# KiCad board AMC_FMC_Carrier-PcbDoc.kicad_pcb (continued)
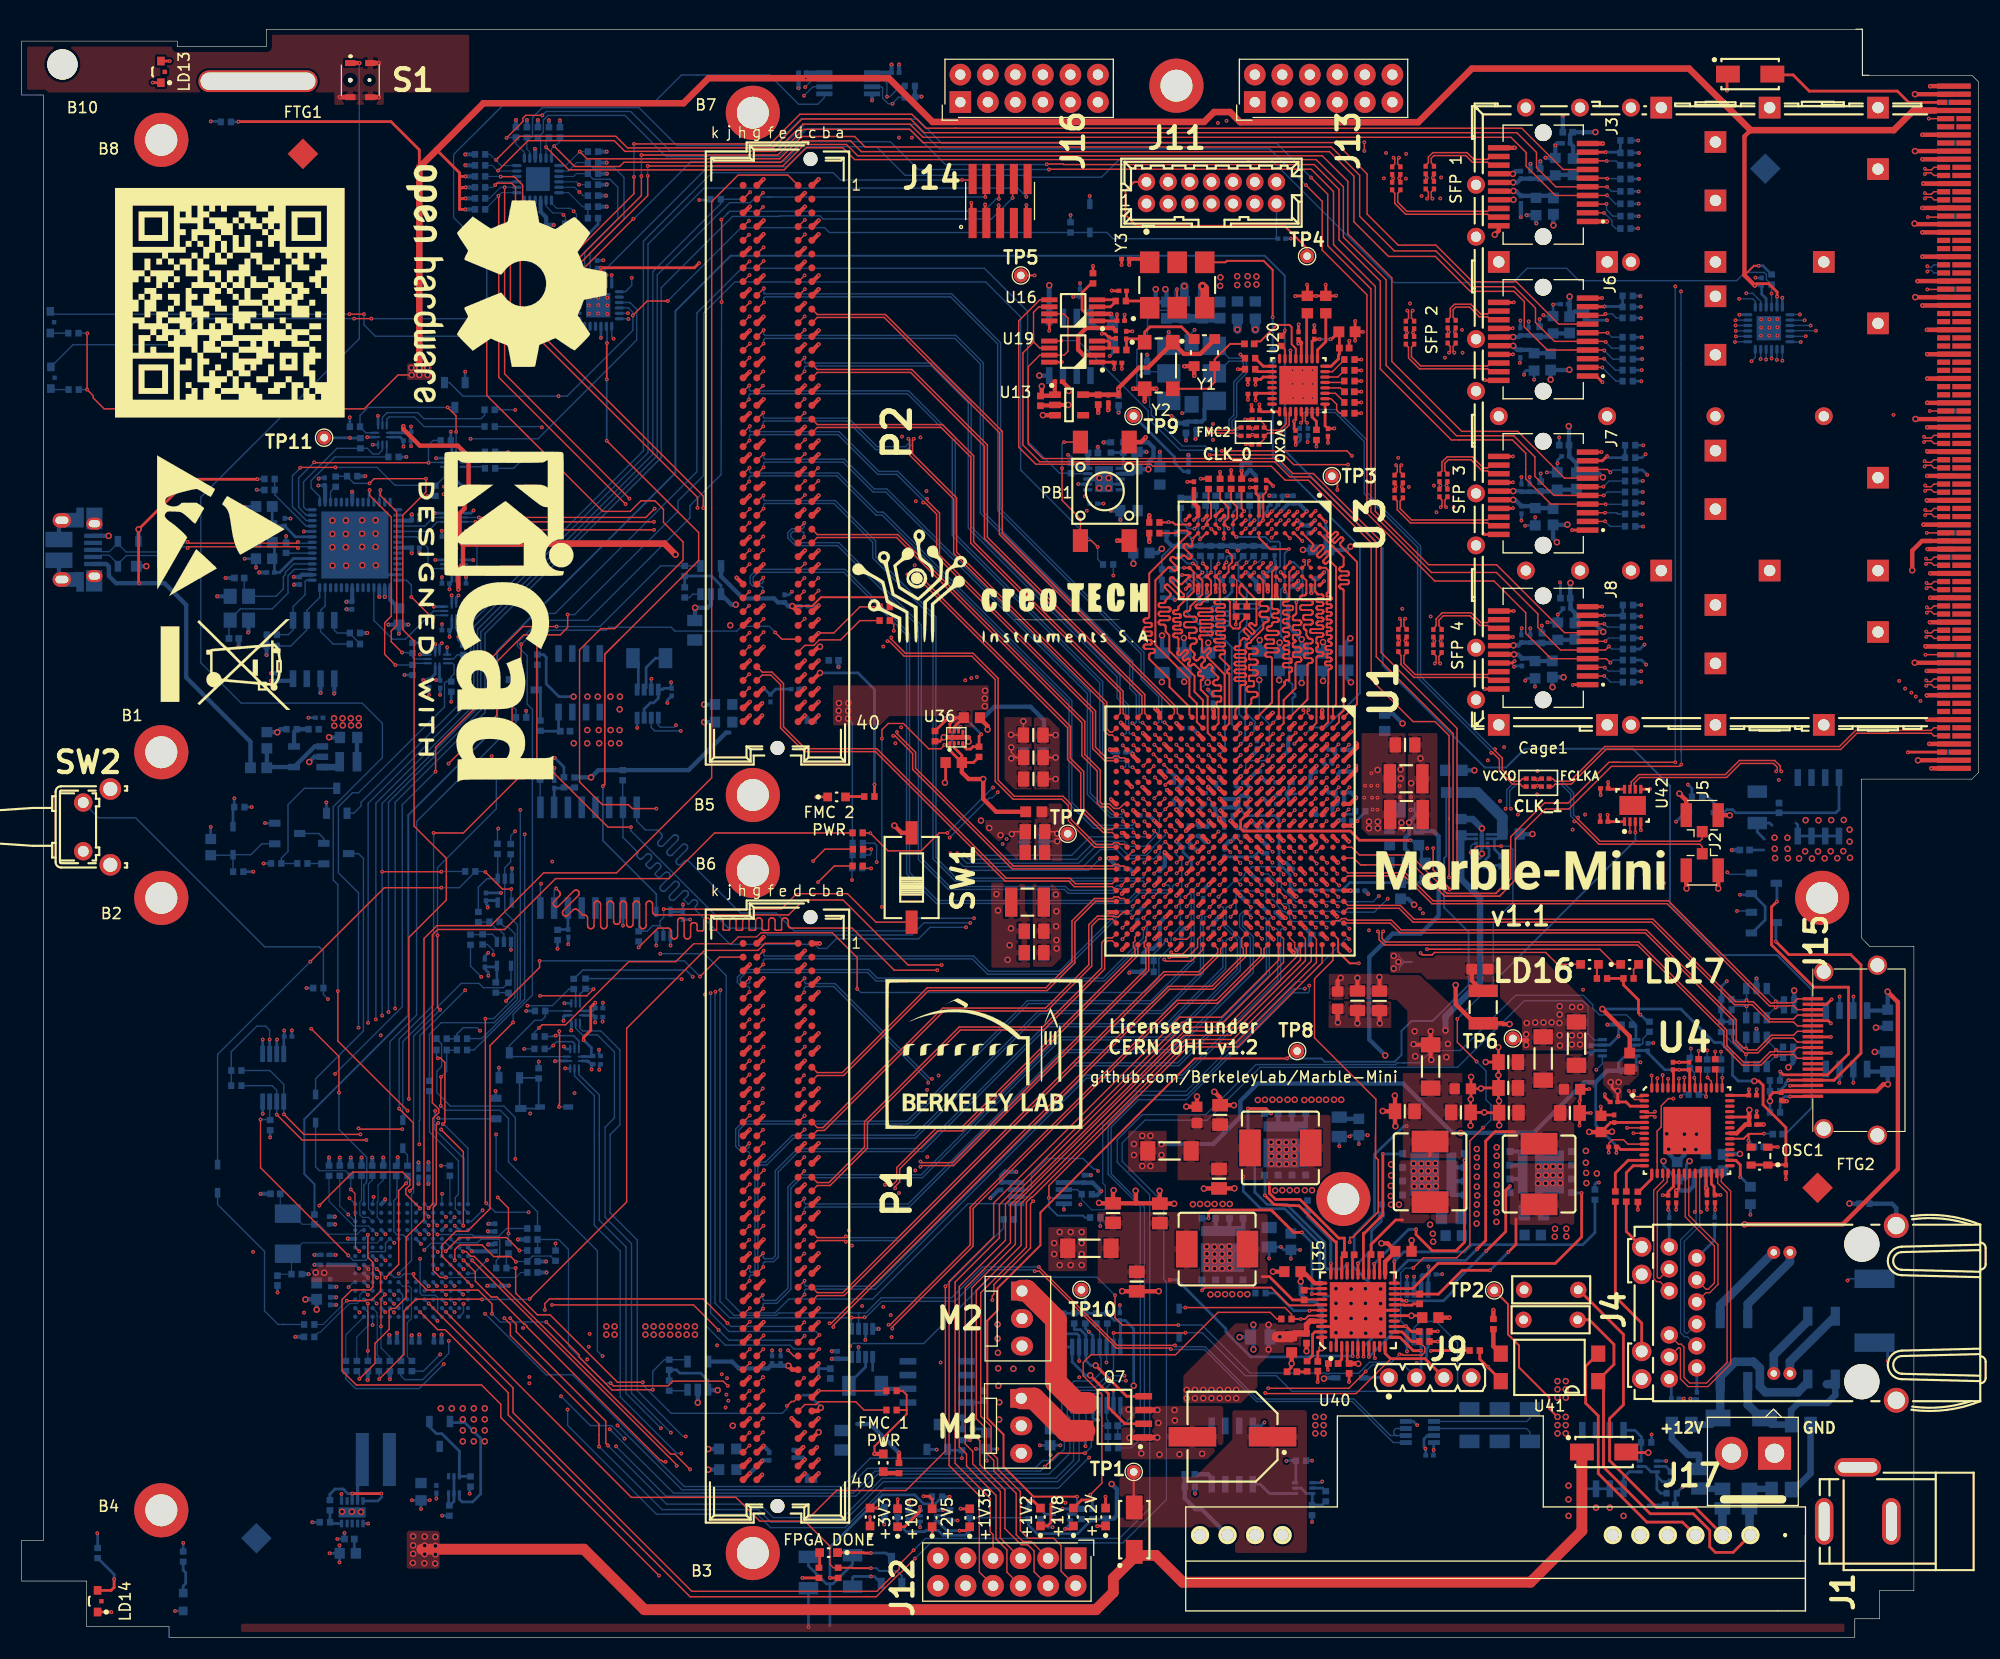
[diagram p0: board, top side]
## Routing (per net, layer and track width the routed paths; a pad name or vN(x,y) marks a point on that pad's centre or on a via; arc(x,y) is an arc through that point) (continued)
/FPGA/DDR3_UDQS_P: length 22.6
  Top w0.118: U1.E1 118.41,85.34 118.41,85.52 v1(118.29,85.63) ; v1(118.35,99.42) 118.47,99.31 118.47,99.05 U3.C7
  In2.Cu w0.102: v1(118.29,85.63) 118.42,85.76 118.42,86.51 118.84,86.93 118.84,90.66 118.83,90.69 118.82,90.73 118.8,90.76 118.78,90.78 118.75,90.8 118.71,90.81 118.68,90.82 118.54,90.82 118.46,90.83 118.38,90.85 118.31,90.9 118.25,90.96 118.21,91.03 118.18,91.1 118.17,91.18 118.17,91.43 118.18,91.51 118.21,91.59 118.25,91.66 118.31,91.72 118.38,91.76 118.46,91.79 118.54,91.8 119.29,91.8 119.32,91.8 119.34,91.81 119.36,91.82 119.38,91.84 119.39,91.86 119.4,91.89 119.4,91.91 119.4,92.21 119.4,92.24 119.39,92.26 119.38,92.28 119.36,92.3 119.34,92.31 119.32,92.32 119.29,92.33 119.16,92.33 119.09,92.33 119.02,92.36 118.96,92.4 118.91,92.45 118.87,92.51 118.85,92.57 118.84,92.65 118.84,92.66 118.48,93.03 118.48,93.89 118.47,93.93 118.46,93.98 118.43,94.02 118.4,94.05 118.36,94.08 118.31,94.09 118.27,94.1 118.13,94.1 118.03,94.11 117.95,94.14 117.87,94.19 117.8,94.25 117.75,94.33 117.72,94.42 117.71,94.51 117.71,94.67 117.72,94.76 117.75,94.84 117.8,94.92 117.87,94.99 117.95,95.04 118.03,95.07 118.13,95.08 119.18,95.08 119.24,95.09 119.29,95.11 119.34,95.14 119.38,95.18 119.42,95.23 119.43,95.28 119.44,95.34 119.43,95.4 119.42,95.46 119.38,95.51 119.34,95.55 119.29,95.58 119.24,95.6 119.18,95.6 118.23,95.6 118.16,95.61 118.09,95.64 118.03,95.67 117.98,95.72 117.94,95.79 117.92,95.85 117.91,95.92 117.91,96.27 117.92,96.34 117.94,96.41 117.98,96.47 118.03,96.52 118.09,96.56 118.16,96.58 118.23,96.59 118.37,96.59 118.39,96.59 118.41,96.6 118.44,96.61 118.45,96.63 118.47,96.65 118.47,96.67 118.48,96.7 118.48,96.73 118.49,96.83 118.52,96.93 118.58,97.01 118.65,97.09 118.74,97.14 118.84,97.18 118.94,97.19 119.18,97.19 119.24,97.2 119.29,97.22 119.34,97.25 119.38,97.29 119.42,97.34 119.43,97.39 119.44,97.45 119.43,97.51 119.42,97.57 119.38,97.62 119.34,97.66 119.29,97.69 119.24,97.71 119.18,97.71 118.94,97.71 118.84,97.73 118.74,97.76 118.65,97.82 118.58,97.89 118.52,97.98 118.49,98.07 118.48,98.18 118.48,99.3 v1(118.35,99.42)
/FPGA/DDR3_WE: length 28.5
  Top w0.178: v1(112.11,101.61) 111.79,101.94 U3.L3 ; v1(113.51,83.45) 113.51,83.44 U1.K3
  Bottom w0.178: 112.34,104.29 112.2,104.29 111.83,103.92 111.83,101.9 v1(112.11,101.61) 114.8,101.61 115.23,101.18 116.02,101.18 116.15,101.05 116.15,98.92 115.76,98.52 115.76,96.41 115.29,95.95 115.29,94.27 115.07,94.06 115.04,94.03 115.01,94.01 114.97,94 114.93,94 114.89,94.01 114.85,94.03 114.82,94.06 114.78,94.09 114.75,94.12 114.72,94.14 114.68,94.15 114.64,94.15 114.6,94.14 114.56,94.12 114.53,94.09 114.51,94.06 114.49,94.03 114.48,93.99 114.48,93.95 114.49,93.91 114.51,93.87 114.53,93.84 114.57,93.8 114.6,93.77 114.61,93.74 114.62,93.7 114.62,93.66 114.61,93.62 114.6,93.58 114.57,93.55 112.93,91.91 112.93,85.46 113.82,84.56 113.82,84.22 113.74,84.13 113.74,83.68 v1(113.51,83.45)
/FPGA/DXN_0: length 82.6
  Top w0.127: U1.N9 110.03,76.97 v1(109.55,77.45)
  In5.Cu w0.127: v1(109.55,77.45) 110,77 110,76.18 109.66,75.83 109.44,75.83 109.18,75.58 109.18,75.14 ; 109.18,75.14 109.18,75.29 ; 109.18,75.14 109.18,73.33 109.44,73.08 113.8,73.08 114.07,72.8 114.07,70.42 114.61,69.89 115.59,69.89 115.84,69.64 115.84,69.16 115.91,69.09 ; v1(118.85,60.19) 116.23,62.8 116.23,68.77 115.91,69.09 ; 115.91,69.09 115.99,69.01
  Bottom w0.127: R129.1 102.41,17.49 103.63,18.71 103.63,39.73 100.56,42.81 100.56,47.13 103.07,49.64 107.49,49.64 117.37,59.52 118.74,59.52 118.85,59.63 v1(118.85,60.19)
/FPGA/DXP_0: length 81.2
  Top w0.127: U1.N10 v1(109.64,76.35)
  In5.Cu w0.127: v1(109.64,76.35) 109.39,76.35 108.91,75.88 108.91,73.21 109.28,72.84 113.7,72.84 113.83,72.72 113.83,69.55 114.34,69.04 115.56,69.04 115.91,68.68 115.91,62.43 v1(118.44,59.91)
  Bottom w0.127: v1(118.44,59.91) 117.4,59.91 107.55,50.05 102.95,50.05 100.28,47.38 100.28,42.76 103.25,39.79 103.25,21.2 101.6,19.54 C188.1 ; C188.1 C189.1 ; C188.1 101.41,19.79 U27.9
/FPGA/EXP_INT: length 261.9
  In2.Cu w0.127: v1(99.35,43.07) 99.35,43.65 104.01,48.31 109.09,48.31 111.36,50.57 120.58,50.57 129.64,59.63 143.94,59.63 v1(144.12,59.8) ; v1(161.51,124.1) 161.69,124.27 162.56,124.27 163.22,123.61 163.22,122.11 165.15,120.18 165.15,118.1 163.22,116.17 163.22,105.96 151.71,94.45 151.71,76.92 151.59,76.8 v1(151.59,69.66)
  In5.Cu w0.127: v1(151.59,69.66) 151.59,67.27 v1(144.12,59.8)
  Bottom w0.127: v1(99.35,43.07) 99.18,43.24 98.95,43.24 97.97,44.22 94.7,44.22 93.2,42.73 93.2,41.53 93.02,41.35 U47.7 ; U39.22 53.46,125.92 63.35,135.8 70.59,135.8 72.44,137.65 78.89,137.65 81.53,135.01 92.43,135.01 92.61,134.84 99.67,134.84 101.27,136.44 115.34,136.44 126.67,125.11 137.64,125.11 138.96,126.43 142.59,126.43 143.74,125.29 158.29,125.29 159.05,126.05 160.83,126.05 161.04,125.84 161.04,125.37 161.5,124.92 R199.2 161.51,124.91 v1(161.51,124.1) U34.22
/FPGA/FPGA_13_14/CFG_D02: length 76.4
  Top w0.127: v1(84.51,61.61) 80.54,61.61 76.66,65.49 71.04,65.49 70.98,65.5 70.91,65.52 70.86,65.56 70.81,65.61 70.77,65.66 70.75,65.73 70.74,65.79 70.74,66.14 70.74,66.21 70.71,66.27 70.68,66.33 70.63,66.38 70.57,66.41 70.51,66.44 70.44,66.44 70.38,66.44 70.31,66.41 70.26,66.38 70.21,66.33 70.17,66.27 70.15,66.21 70.14,66.14 70.14,65.39 70.14,65.37 70.13,65.35 70.12,65.33 70.11,65.32 70.09,65.3 70.07,65.3 70.04,65.29 69.64,65.29 69.62,65.3 69.6,65.3 69.58,65.32 69.56,65.33 69.55,65.35 69.55,65.37 69.54,65.39 69.54,66.14 69.54,66.21 69.51,66.27 69.48,66.33 69.43,66.38 69.37,66.41 69.31,66.44 69.24,66.44 69.18,66.44 69.11,66.41 69.06,66.38 69.01,66.33 68.97,66.27 68.95,66.21 68.94,66.14 68.94,65.39 68.94,65.37 68.93,65.35 68.92,65.33 68.91,65.32 68.89,65.3 68.87,65.3 68.84,65.29 68.44,65.29 68.42,65.3 68.4,65.3 68.38,65.32 68.36,65.33 68.35,65.35 68.35,65.37 68.34,65.39 68.34,66.14 68.34,66.21 68.31,66.27 68.28,66.33 68.23,66.38 68.17,66.41 68.11,66.44 68.04,66.44 67.98,66.44 67.91,66.41 67.86,66.38 67.81,66.33 67.77,66.27 67.75,66.21 67.74,66.14 67.74,65.39 67.74,65.37 67.73,65.35 67.72,65.33 67.71,65.32 67.69,65.3 67.67,65.3 67.64,65.29 67.24,65.29 67.22,65.3 67.2,65.3 67.18,65.32 67.16,65.33 67.15,65.35 67.15,65.37 67.14,65.39 67.14,66.14 67.14,66.21 67.11,66.27 67.08,66.33 67.03,66.38 66.97,66.41 66.91,66.44 66.84,66.44 66.78,66.44 66.71,66.41 66.66,66.38 66.61,66.33 66.57,66.27 66.55,66.21 66.54,66.14 66.54,65.39 66.54,65.37 66.53,65.35 66.52,65.33 66.51,65.32 66.49,65.3 66.47,65.3 66.44,65.29 66.04,65.29 66.02,65.3 66,65.3 65.98,65.32 65.96,65.33 65.95,65.35 65.95,65.37 65.94,65.39 65.94,66.14 65.94,66.21 65.91,66.27 65.88,66.33 65.83,66.38 65.77,66.41 65.71,66.44 65.64,66.44 65.58,66.44 65.51,66.41 65.46,66.38 65.41,66.33 65.37,66.27 65.35,66.21 65.34,66.14 65.34,65.39 65.34,65.37 65.33,65.35 65.32,65.33 65.31,65.32 65.29,65.3 65.27,65.3 65.24,65.29 64.84,65.29 64.82,65.3 64.8,65.3 64.78,65.32 64.76,65.33 64.75,65.35 64.75,65.37 64.74,65.39 64.74,66.14 64.74,66.21 64.71,66.27 64.68,66.33 64.63,66.38 64.57,66.41 64.51,66.44 64.44,66.44 64.38,66.44 64.31,66.41 64.26,66.38 64.21,66.33 64.17,66.27 64.15,66.21 64.14,66.14 64.14,65.39 64.14,65.37 64.13,65.35 64.12,65.33 64.11,65.32 64.09,65.3 64.07,65.3 64.04,65.29 63.64,65.29 63.62,65.3 63.6,65.3 63.58,65.32 63.56,65.33 63.55,65.35 63.55,65.37 63.54,65.39 63.54,66.14 63.54,66.21 63.51,66.27 63.48,66.33 63.43,66.38 63.37,66.41 63.31,66.44 63.24,66.44 63.18,66.44 63.11,66.41 63.06,66.38 63.01,66.33 62.97,66.27 62.95,66.21 62.94,66.14 62.94,65.37 62.94,65.34 62.93,65.31 62.92,65.29 62.9,65.27 62.87,65.26 62.85,65.25 62.82,65.24 62.47,65.24 62.44,65.25 62.41,65.26 62.39,65.27 62.37,65.29 62.36,65.31 62.35,65.34 62.34,65.37 62.34,65.74 62.34,65.8 62.32,65.85 62.29,65.9 62.25,65.94 62.2,65.97 62.15,65.99 62.09,65.99 61.99,65.99 61.94,65.99 61.88,65.97 61.84,65.94 61.8,65.9 61.77,65.85 61.75,65.8 61.74,65.74 61.74,64.79 61.74,64.73 61.71,64.66 61.68,64.61 61.63,64.56 61.57,64.52 61.51,64.5 61.44,64.49 61.38,64.5 61.31,64.52 61.26,64.56 61.21,64.61 61.17,64.66 61.15,64.73 61.14,64.79 61.14,66.14 61.14,66.21 61.11,66.27 61.08,66.33 61.03,66.38 60.97,66.41 60.91,66.44 60.84,66.44 60.78,66.44 60.71,66.41 60.66,66.38 60.61,66.33 60.57,66.27 60.55,66.21 60.54,66.14 60.54,64.79 60.54,64.73 60.51,64.66 60.48,64.61 60.43,64.56 60.37,64.52 60.31,64.5 60.24,64.49 60.18,64.5 60.11,64.52 60.06,64.56 60.01,64.61 59.97,64.66 59.95,64.73 59.94,64.79 59.94,65.19 59.94,65.26 59.91,65.32 59.88,65.38 59.83,65.43 59.77,65.46 59.71,65.49 59.64,65.49 58.72,65.49 v1(56.95,63.72) ; U1.P21 108.53,64.46 108.53,63.72 107.62,62.8 105.87,62.8
  In5.Cu w0.127: v1(105.92,62.81) 105.92,62.56 105.07,61.71 84.96,61.71 84.86,61.61 v1(84.51,61.61)
  Bottom w0.127: R209.1 v1(56.95,63.72)
/FPGA/FPGA_13_14/CFG_D03: length 72.1
  Top w0.127: U1.R21 107.54,64.47 v1(106.44,64.47) ; v1(47.93,81.01) 54.13,74.82 v1(56.23,74.82)
  In5.Cu w0.127: v1(87.55,65.98) 87.58,65.95 88.9,65.95 89.08,66.13 100.83,66.13 101.08,65.88 102.43,65.88 103.43,66.87 103.43,66.89 106.66,66.89 106.88,66.66 106.88,64.91 v1(106.44,64.47)
  Bottom w0.127: R210.1 47.93,80.21 v1(47.93,81.01) ; v1(87.55,65.98) 83.29,65.98 82.17,64.86 68.86,64.86 68.22,65.49 65.23,65.49 56.23,74.49 v1(56.23,74.82)
/FPGA/FPGA_13_14/CFG_DIN: length 72
  Top w0.127: v1(106.1,63.26) 106.26,63.09 107.16,63.09 U1.R22
  In5.Cu w0.127: v1(106.1,63.26) 106.1,63.58 107.16,64.64 107.16,66.81 106.92,67.05 106.92,67.65 106.66,67.9 103.4,67.9 102.96,67.46 102.96,67.18 102.59,66.82 100.64,66.82 100.24,66.41 v1(87.91,66.41)
  Bottom w0.127: U30.8 56.77,75.37 57.58,74.56 58.67,74.56 59.03,74.21 59.07,74.15 59.1,74.09 59.11,74.03 59.11,73.96 59.1,73.89 59.07,73.83 59.03,73.78 58.8,73.55 58.76,73.5 58.73,73.44 58.71,73.37 58.71,73.3 58.73,73.24 58.76,73.18 58.8,73.13 58.85,73.08 58.91,73.05 58.98,73.04 59.04,73.04 59.11,73.05 59.17,73.08 59.22,73.13 60.11,74.01 60.16,74.05 60.22,74.08 60.29,74.1 60.35,74.1 60.42,74.08 60.48,74.05 60.53,74.01 60.57,73.96 60.6,73.9 60.62,73.83 60.62,73.77 60.6,73.7 60.57,73.64 60.53,73.59 59.65,72.7 59.6,72.65 59.58,72.59 59.56,72.52 59.56,72.46 59.58,72.39 59.6,72.33 59.65,72.28 59.7,72.24 59.76,72.21 59.82,72.19 59.89,72.19 59.96,72.21 60.02,72.24 60.07,72.28 60.96,73.16 61.01,73.21 61.07,73.24 61.14,73.25 61.2,73.25 61.27,73.24 61.33,73.21 61.38,73.16 61.42,73.11 61.45,73.05 61.47,72.99 61.47,72.92 61.45,72.85 61.42,72.79 61.38,72.74 60.49,71.85 60.45,71.8 60.42,71.74 60.41,71.67 60.41,71.61 60.42,71.54 60.45,71.48 60.49,71.43 60.55,71.39 60.61,71.36 60.67,71.34 60.74,71.34 60.81,71.36 60.87,71.39 60.92,71.43 61.15,71.66 61.2,71.7 61.26,71.73 61.33,71.75 61.4,71.75 61.46,71.73 61.52,71.7 61.57,71.66 66.34,66.89 69.65,66.89 71.3,65.24 81.56,65.24 82.73,66.41 v1(87.91,66.41)
/FPGA/FPGA_13_14/CFG_FCS: length 74.6
  Top w0.112: U1.T19 106.56,66.49 v1(106.51,66.49)
  In5.Cu w0.127: v1(87.17,65.57) 87.86,64.88 102.57,64.88 102.84,65.15 102.84,65.5 103.22,65.88 105.9,65.88 v1(106.51,66.49)
  Bottom w0.127: R223.2 55.47,76.67 U30.7 55.5,73.88 56.82,72.55 56.84,72.53 56.86,72.49 56.87,72.46 56.87,72.42 56.86,72.39 56.84,72.35 56.8,72.3 56.78,72.27 56.77,72.23 56.77,72.19 56.78,72.16 56.8,72.13 56.82,72.1 57.01,71.9 57.04,71.88 57.08,71.86 57.11,71.86 57.15,71.86 57.18,71.86 57.21,71.88 57.24,71.9 57.36,72.02 57.37,72.01 57.63,72.27 57.68,72.31 57.74,72.34 57.81,72.36 57.88,72.36 57.94,72.34 58,72.31 58.06,72.27 58.1,72.22 58.13,72.16 58.14,72.09 58.14,72.03 58.13,71.96 58.1,71.9 58.06,71.85 57.68,71.47 57.65,71.44 57.64,71.41 57.63,71.37 57.63,71.34 57.64,71.3 57.65,71.27 57.68,71.24 57.87,71.04 57.9,71.02 57.93,71.01 57.97,71 58,71 58.04,71.01 58.07,71.02 58.1,71.04 58.48,71.42 58.53,71.46 58.59,71.49 58.66,71.51 58.73,71.51 58.79,71.49 58.85,71.46 58.9,71.42 58.95,71.37 58.97,71.31 58.99,71.24 58.99,71.18 58.97,71.11 58.95,71.05 58.9,71 58.53,70.62 58.5,70.59 58.49,70.56 58.48,70.52 58.48,70.49 58.49,70.45 58.5,70.42 58.53,70.39 58.72,70.2 58.75,70.17 58.78,70.16 58.82,70.15 58.85,70.15 58.89,70.16 58.92,70.17 58.95,70.2 59.33,70.57 59.38,70.62 59.44,70.64 59.51,70.66 59.57,70.66 59.64,70.64 59.7,70.62 59.75,70.57 59.79,70.52 59.82,70.46 59.84,70.4 59.84,70.33 59.82,70.26 59.79,70.2 59.75,70.15 59.01,69.41 58.97,69.36 58.94,69.3 58.93,69.23 58.93,69.16 58.94,69.1 58.97,69.04 59.01,68.98 59.06,68.94 59.13,68.91 59.19,68.9 59.26,68.9 59.32,68.91 59.38,68.94 59.44,68.98 60.18,69.73 60.23,69.77 60.29,69.8 60.36,69.81 60.42,69.81 60.49,69.8 60.55,69.77 60.6,69.73 60.64,69.67 60.67,69.61 60.69,69.55 60.69,69.48 60.67,69.41 60.64,69.35 60.6,69.3 59.86,68.56 59.82,68.51 59.79,68.45 59.77,68.38 59.77,68.31 59.79,68.25 59.82,68.19 59.86,68.14 59.91,68.09 59.97,68.07 60.04,68.05 60.11,68.05 60.17,68.07 60.23,68.09 60.28,68.14 61.03,68.88 61.08,68.92 61.14,68.95 61.2,68.96 61.27,68.96 61.34,68.95 61.4,68.92 61.45,68.88 61.49,68.82 61.52,68.76 61.54,68.7 61.54,68.63 61.52,68.57 61.49,68.51 61.45,68.45 61.15,68.15 61.14,68.14 61.14,68.13 61.14,68.12 61.14,68.11 61.14,68.1 61.14,68.09 61.15,68.08 61.5,67.73 61.51,67.72 61.52,67.72 61.53,67.71 61.54,67.71 61.56,67.72 61.57,67.72 61.57,67.73 61.87,68.03 61.93,68.07 61.99,68.1 62.05,68.11 62.12,68.11 62.19,68.1 62.25,68.07 62.3,68.03 62.34,67.98 62.37,67.92 62.38,67.85 62.38,67.78 62.37,67.72 62.34,67.66 62.3,67.6 62.25,67.55 62.2,67.5 62.17,67.44 62.16,67.37 62.16,67.31 62.17,67.24 62.2,67.18 62.25,67.13 65.38,64 73.19,64 73.58,63.61 74.29,63.61 75.18,64.5 82.78,64.5 83.84,65.57 v1(87.17,65.57)
/FPGA/FPGA_13_14/CFG_MOSI: length 95.2
  Top w0.127: 109.03,63.95 U1.P22 109.03,63.52 107.95,62.44 105.62,62.44 v1(105.46,62.6) ; v1(84.91,62.09) 81.81,62.09 75.81,68.09 72.17,68.09 70.79,66.71 58.53,66.71 58.47,66.72 58.4,66.74 58.35,66.78 58.3,66.83 58.26,66.88 58.24,66.95 58.23,67.01 58.23,67.69 58.23,67.75 58.2,67.82 58.17,67.87 58.12,67.92 58.06,67.96 58,67.98 57.93,67.99 57.87,67.98 57.8,67.96 57.75,67.92 57.7,67.87 57.66,67.82 57.64,67.75 57.63,67.69 57.63,65.74 57.63,65.67 57.6,65.61 57.57,65.55 57.52,65.5 57.46,65.47 57.4,65.45 57.33,65.44 57.27,65.45 57.2,65.47 57.15,65.5 57.1,65.55 57.06,65.61 57.04,65.67 57.03,65.74 57.03,67.69 57.03,67.75 57,67.82 56.97,67.87 56.92,67.92 56.86,67.96 56.8,67.98 56.73,67.99 56.67,67.98 56.6,67.96 56.55,67.92 56.5,67.87 56.46,67.82 56.44,67.75 56.43,67.69 56.43,65.89 56.43,65.82 56.4,65.76 56.37,65.7 56.32,65.65 56.26,65.62 56.2,65.6 56.13,65.59 56.07,65.6 56,65.62 55.95,65.65 55.9,65.7 55.86,65.76 55.84,65.82 55.83,65.89 55.83,67.69 55.83,67.75 55.8,67.82 55.77,67.87 55.72,67.92 55.66,67.96 55.6,67.98 55.53,67.99 55.47,67.98 55.4,67.96 55.35,67.92 55.3,67.87 55.26,67.82 55.24,67.75 55.23,67.69 55.23,66.14 55.23,66.07 55.2,66.01 55.17,65.95 55.12,65.9 55.06,65.87 55,65.85 54.93,65.84 54.87,65.85 54.8,65.87 54.75,65.9 54.7,65.95 54.66,66.01 54.64,66.07 54.63,66.14 54.63,67.69 54.63,67.75 54.6,67.82 54.57,67.87 54.52,67.92 54.46,67.96 54.4,67.98 54.33,67.99 54.27,67.98 54.2,67.96 54.15,67.92 54.1,67.87 54.06,67.82 54.04,67.75 54.03,67.69 54.03,65.74 54.03,65.67 54,65.61 53.97,65.55 53.92,65.5 53.86,65.47 53.8,65.45 53.73,65.44 53.67,65.45 53.6,65.47 53.55,65.5 53.5,65.55 53.46,65.61 53.44,65.67 53.43,65.74 53.43,67.69 53.43,67.75 53.4,67.82 53.37,67.87 53.32,67.92 53.26,67.96 53.2,67.98 53.13,67.99 53.07,67.98 53,67.96 52.95,67.92 52.9,67.87 52.86,67.82 52.84,67.75 52.83,67.69 52.83,65.74 52.83,65.67 52.8,65.61 52.77,65.55 52.72,65.5 52.66,65.47 52.6,65.45 52.53,65.44 52.47,65.45 52.4,65.47 52.35,65.5 52.3,65.55 52.26,65.61 52.24,65.67 52.23,65.74 52.23,66.41 52.23,66.48 52.2,66.54 52.17,66.6 52.12,66.65 52.06,66.68 52,66.71 51.93,66.71 51.78,66.71 51.32,67.17 51.27,67.21 51.21,67.24 51.15,67.26 51.08,67.26 51.01,67.24 50.95,67.21 50.9,67.17 50.42,66.69 50.37,66.65 50.31,66.62 50.24,66.61 50.18,66.61 50.11,66.62 50.05,66.65 50,66.69 49.96,66.75 49.93,66.81 49.91,66.87 49.91,66.94 49.93,67.01 49.96,67.07 50,67.12 51.38,68.5 51.42,68.55 51.45,68.61 51.46,68.68 51.46,68.74 51.45,68.81 51.42,68.87 51.38,68.92 51.32,68.96 51.26,68.99 51.2,69.01 51.13,69.01 51.07,68.99 51.01,68.96 50.95,68.92 49.57,67.54 49.52,67.5 49.46,67.47 49.4,67.46 49.33,67.46 49.26,67.47 49.2,67.5 49.15,67.54 49.11,67.6 49.08,67.66 49.06,67.72 49.06,67.79 49.08,67.85 49.11,67.91 49.15,67.97 49.63,68.44 49.67,68.5 49.7,68.56 49.71,68.62 49.71,68.69 49.7,68.76 49.67,68.82 49.63,68.87 v1(49.34,69.16)
  In5.Cu w0.127: 87.22,62.09 87.12,62.09 ; 87.22,62.09 v1(84.91,62.09) ; 87.22,62.09 87.38,61.94 104.8,61.94 v1(105.46,62.6)
  Bottom w0.127: U30.15 49.15,68.97 v1(49.34,69.16)
/FPGA/FPGA_13_14/CFG_PUDC: length 4.2
  Top w0.127: v1(105.64,64.4) 105.64,64.35 U1.U22
  Bottom w0.127: R222.1 R221.2 104.48,63.09 105.46,64.07 ; 105.46,64.07 105.46,64.23 v1(105.64,64.4) ; 105.46,64.07 105.37,63.98
/FPGA/FPGA_13_14/CFG_WP: length 31.7
  Top w0.127: v1(59.26,67.25) 70.1,67.25 71.53,68.67 76.22,68.67 78.85,66.04 SW1.1
  Bottom w0.127: 58.91,65.72 58.91,66.14 59.26,66.48 v1(59.26,67.25) ; 58.91,65.72 59.23,65.4 U11.2 ; 58.91,65.72 58.24,65.72 57.73,65.21 57.4,65.21 57.38,65.2 R209.2 56.95,67.17 U30.9
/FPGA/FPGA_15_16/HDMI_5V: length 18.3
  Top w0.254: C37.1 161.67,50.31 161.37,50 v2(161.37,49.52)
  Top w0.4: C37.1 162.54,50.44 171.21,50.44 171.83,51.07 v2(172.26,51.07)
  Bottom w0.254: 161.37,49.77 v2(161.37,49.52) ; 161.37,49.77 161.37,51.53 ; 161.37,49.77 R220.1
  Bottom w0.4: U12.1 170.56,52.25 C104.1 172.24,51.09 v2(172.26,51.07)
/FPGA/FPGA_15_16/HDMI_HPD: length 3.9
  Top w0.254: 165.04,49.94 163.23,49.94 v1(163.22,49.94)
  Bottom w0.254: R220.2 162.31,49.51 162.74,49.94 v1(163.22,49.94)
/FPGA/FPGA_15_16/I2C_SCL: length 173.7
  Top w0.112: U1.A14 122.05,71.95
  Top w0.127: 123.62,71.34 124.05,71.34 ; 124.05,71.34 128.45,71.34 131.11,68.67 ; 124.05,71.34 123.57,71.34 122.95,71.96 U1.A14 ; v1(153.19,80.61) 153.01,80.43 146.74,80.43 142.8,76.49 142.24,76.49 ; 136.71,68.75 137.87,69.96
  Top w0.13: 137.87,69.96 137.87,73.72 140.64,76.49 142.24,76.49
  Top w0.15: 136.71,68.75 136.41,68.45 131.34,68.45 131.11,68.67
  In2.Cu w0.127: v1(80.97,138.49) 81.71,137.76 93.45,137.76 94.28,138.59 137.87,138.59 139.06,137.4 139.06,136.56 138.85,136.35 138.85,135.46 145.77,128.54 148.77,128.54 150.49,126.81 150.49,126.3 152.5,124.29 v1(153.16,124.29)
  In5.Cu w0.127: v1(80.97,138.49) 80.97,140.18 79.86,141.29 v1(79.86,142.27)
  Bottom w0.127: 153.16,81.85 153.19,81.83 v1(153.19,80.61) ; 153.16,81.85 153.16,81.72 ; 153.16,81.85 v1(153.16,124.29) ; U46.2 79.57,143.83 79.86,143.54 v1(79.86,142.27) 80.13,142.27 81.11,143.26 R305.2
/FPGA/FPGA_15_16/I2C_SDA: length 171.4
  Top w0.112: U1.A13 122.06,72.99
  Top w0.127: 137.44,70.07 136.51,69.15 136.42,69.05 ; 146.86,80.81 146.51,80.81 142.75,77.05 142.65,77.05 ; 146.86,80.81 147.47,80.81 ; 146.86,80.81 v1(152.63,80.81) ; 131.19,69.23 128.17,72.25 123.47,72.25 122.76,72.96 U1.A13
  Top w0.13: 142.65,77.05 140.56,77.05 137.44,73.93 137.44,70.07
  Top w0.15: 136.28,68.91 136.42,69.05 ; 136.51,69.15 136.06,68.7 131.56,68.7 131.19,69.07 131.19,69.23
  In2.Cu w0.127: v1(152.63,124.75) 152.63,125.54 149.05,129.12 146.25,129.12 139.75,135.62 139.75,137.48 138.25,138.98 94.21,138.98 93.37,138.14 82.52,138.14 v1(82.17,138.49)
  In5.Cu w0.127: v1(82.17,138.49) 81.63,139.03 81.63,140.32 80.44,141.52 80.44,141.55 v1(80.38,141.62)
  Bottom w0.127: v1(152.63,124.75) v1(152.63,80.81) ; U46.3 79.37,143.18 79.46,143.09 79.46,142.13 79.97,141.62 v1(80.38,141.62) 80.55,141.79 80.55,141.84 80.92,142.21 R304.2
/FPGA/FPGA_15_16/Rx18_SE: length 38.1
  Top w0.178: v1(123.42,62.24) 122.58,62.24 121.51,63.31 121.51,64.48 U1.B21 ; U42.3 148.94,74.34 v1(148.94,74.33)
  In2.Cu w0.118: 130.86,60.95 v1(136.3,60.95)
  In2.Cu w0.127: v1(123.42,62.24) 124.41,61.25 124.41,60.72 124.87,60.26 127.99,60.26 128.68,60.95 130.86,60.95
  Bottom w0.178: v1(136.3,60.95) 148.94,73.6 v1(148.94,74.33)
/FPGA/FPGA_15_16/TMDS0_N: length 54.5
  Top w0.13: J15.9 163.9,54.97 163.54,55.33 161.6,55.33 160.25,53.98 159.31,53.98 v1(159.16,53.83) 157.98,55.01 157.98,56.93 149.85,65.05 127.22,65.05 126.32,65.96 U1.A20
  Bottom w0.13: R206.2 156.89,55.9 158.64,54.15 158.83,54.15 v1(159.16,53.83) 159.16,52.73 D11.6
/FPGA/FPGA_15_16/TMDS0_P: length 54.7
  Top w0.127: U1.B20 121.07,65.96
  Top w0.13: U1.B20 121.26,66.19 121.65,66.19 121.83,66.38 122.23,66.38 122.38,66.23 126.43,66.23 127.33,65.32 149.97,65.32 158.25,57.04 158.25,55.12 158.97,54.4 v1(159.16,54.4) 159.31,54.25 160.14,54.25 161.49,55.6 163.54,55.6 163.9,55.97 J15.7
  Bottom w0.13: R207.2 157.83,55.36 158.79,54.4 v1(159.16,54.4) 159.16,55.4 D11.1
/FPGA/FPGA_15_16/TMDS1_N: length 50.7
  Top w0.13: J15.6 163.9,56.47 163.54,56.83 161.3,56.83 159.71,58.42 159.36,58.42 v1(159.21,58.27) 159.06,58.42 158.08,58.42 150.46,66.04 128.42,66.04 127.14,67.32 122.4,67.32 U1.A19
  Bottom w0.118: 157.81,57.98 158.11,58.27 v1(159.21,58.27)
  Bottom w0.127: D10.6 159.21,57.25 v1(159.21,58.27)
/FPGA/FPGA_15_16/TMDS1_P: length 50.5
  Top w0.13: J15.4 163.9,57.47 163.54,57.1 161.41,57.1 159.82,58.69 159.36,58.69 v1(159.21,58.84) 159.06,58.69 158.2,58.69 150.58,66.31 128.53,66.31 127.25,67.59 122.4,67.59 U1.A18
  Bottom w0.118: 157.86,58.89 157.91,58.84 v1(159.21,58.84)
  Bottom w0.127: D10.1 159.21,59.87 v1(159.21,58.84)
/FPGA/FPGA_15_16/TMDS2_N: length 50.8
  Top w0.13: J15.3 163.9,57.97 163.54,58.33 163.06,58.33 163.03,58.31 162.05,58.31 v1(161.9,58.16) 161.75,58.31 161.32,58.31 151.89,67.75 130.17,67.75 127.59,70.32 122.4,70.32 U1.A16
  Bottom w0.112: v1(161.9,58.16) 161.85,58.16 161.07,57.38 D10.4
  Bottom w0.118: v1(161.9,58.16) 162.54,58.16 162.66,58.04
/FPGA/FPGA_15_16/TMDS2_P: length 51.1
  Top w0.13: J15.1 163.9,58.97 163.54,58.6 162.94,58.6 162.92,58.58 162.05,58.58 v1(161.9,58.73) 161.75,58.58 161.43,58.58 152,68.02 130.28,68.02 127.7,70.59 122.4,70.59 U1.A15
  Bottom w0.112: v1(161.9,58.73) 161.9,58.84 161.07,59.67 D10.3
  Bottom w0.118: R226.2 162.5,58.73 v1(161.9,58.73)
/FPGA/FPGA_15_16/TMDS_CLK_N: length 55.5
  Top w0.13: v1(125.18,65.19) 125.29,65.08 125.29,64.42 125.77,63.94 149.14,63.94 157.12,55.96 157.12,54.54 158.82,52.84 160.53,52.84 161.51,53.81 161.77,53.81 v1(161.92,53.66) 162.07,53.81 163.33,53.81 163.36,53.83 163.54,53.83 163.9,53.47 J15.12 ; v1(121.49,67.5) 121.03,67.96 U1.B18
  In2.Cu w0.102: v1(121.49,67.5) 121.83,67.84 123.58,67.84 125.31,66.11 125.31,65.32 v1(125.18,65.19)
  Bottom w0.112: D11.4 161.07,52.88 161.85,53.66 v1(161.92,53.66)
  Bottom w0.118: v1(161.92,53.66) 162.46,53.66 R141.2
/FPGA/FPGA_15_16/TMDS_CLK_P: length 55.9
  Top w0.112: 121.54,68.39 v1(121.54,68.36) ; U1.B17 121.03,68.9
  Top w0.13: U1.B17 121.03,68.87 v1(121.54,68.36) ; J15.10 163.9,54.47 163.54,54.1 163.24,54.1 163.22,54.08 162.07,54.08 v1(161.92,54.23) 161.77,54.08 161.39,54.08 160.42,53.11 158.93,53.11 157.39,54.65 157.39,56.08 149.25,64.21 125.89,64.21 125.56,64.53 125.56,65.08 v1(125.67,65.19)
  In2.Cu w0.102: v1(125.67,65.19) 125.54,65.32 125.54,66.2 123.67,68.07 121.83,68.07 v1(121.54,68.36)
  Bottom w0.112: D11.3 161.07,55.15 161.92,54.29 v1(161.92,54.23)
  Bottom w0.118: 162.6,54.42 162.41,54.23 v1(161.92,54.23)
/FPGA/FPGA_DONE: length 221.1
  Top w0.127: 72.33,10.69 74.6,8.42 74.6,6.75 74.92,6.43 R162.2 ; 72.33,10.69 72.29,10.73 68.12,10.73 65.92,12.93 56.27,12.93 v1(39.17,30.04) ; 72.33,10.69 75.21,13.56 81.61,13.56 85.26,17.2 v1(85.26,32.41) ; v1(116.51,75.45) 116.03,74.97 U1.G11
  Top w0.178: v1(78.38,6.39) 76.75,6.39 76.71,6.43 R162.2
  In2.Cu w0.127: v1(116.51,75.45) 115.72,74.66 111.86,74.66 111.07,73.88 107.53,73.88 107.03,74.37 107.03,74.64 106.6,75.07 106.48,75.07 106.11,75.44 106.11,75.73 105.71,76.13 105.36,76.13 104.62,76.87 91.26,76.87 v1(90.09,78.04) ; v1(48.97,71.64) 48.97,56.27 48.84,56.15 48.84,55.49 49.55,54.77 49.55,54.19 51.03,52.72 v1(51.03,50.25)
  In5.Cu w0.127: v1(48.97,71.64) 51.54,74.21 72.31,74.21 72.67,73.85 v1(85.65,73.85) ; v1(51.03,50.25) 51.03,45.46 44.2,38.62 44.2,34.89 45.52,33.57 45.52,29.17 45.36,29.02 40.18,29.02 v1(39.17,30.04)
  Bottom w0.127: v1(39.17,30.04) 38.8,30.41 U2.B11 ; v1(90.09,78.04) 89.56,77.51 89.31,77.51 v1(85.65,73.85) ; v1(85.26,32.41) 90.62,37.78 R313.2
  Bottom w0.178: v1(78.38,6.39) 78.89,6.39 79.15,6.13 80.79,6.13 81.24,5.69 Q19.1
